# Altium PCB RGV_Control_1V21.PcbDoc (part 6 of 6)
Units mm, origin at the board's own origin, x right, y up, seen from the top; angles counter-clockwise.
Board outline 221.11 x 150.42 mm, 4 copper layers (Top Layer, GND, Power, Bottom Layer), stack 1.56 mm thick; 529 components, 871 nets, 2379 pads, 835 vias.
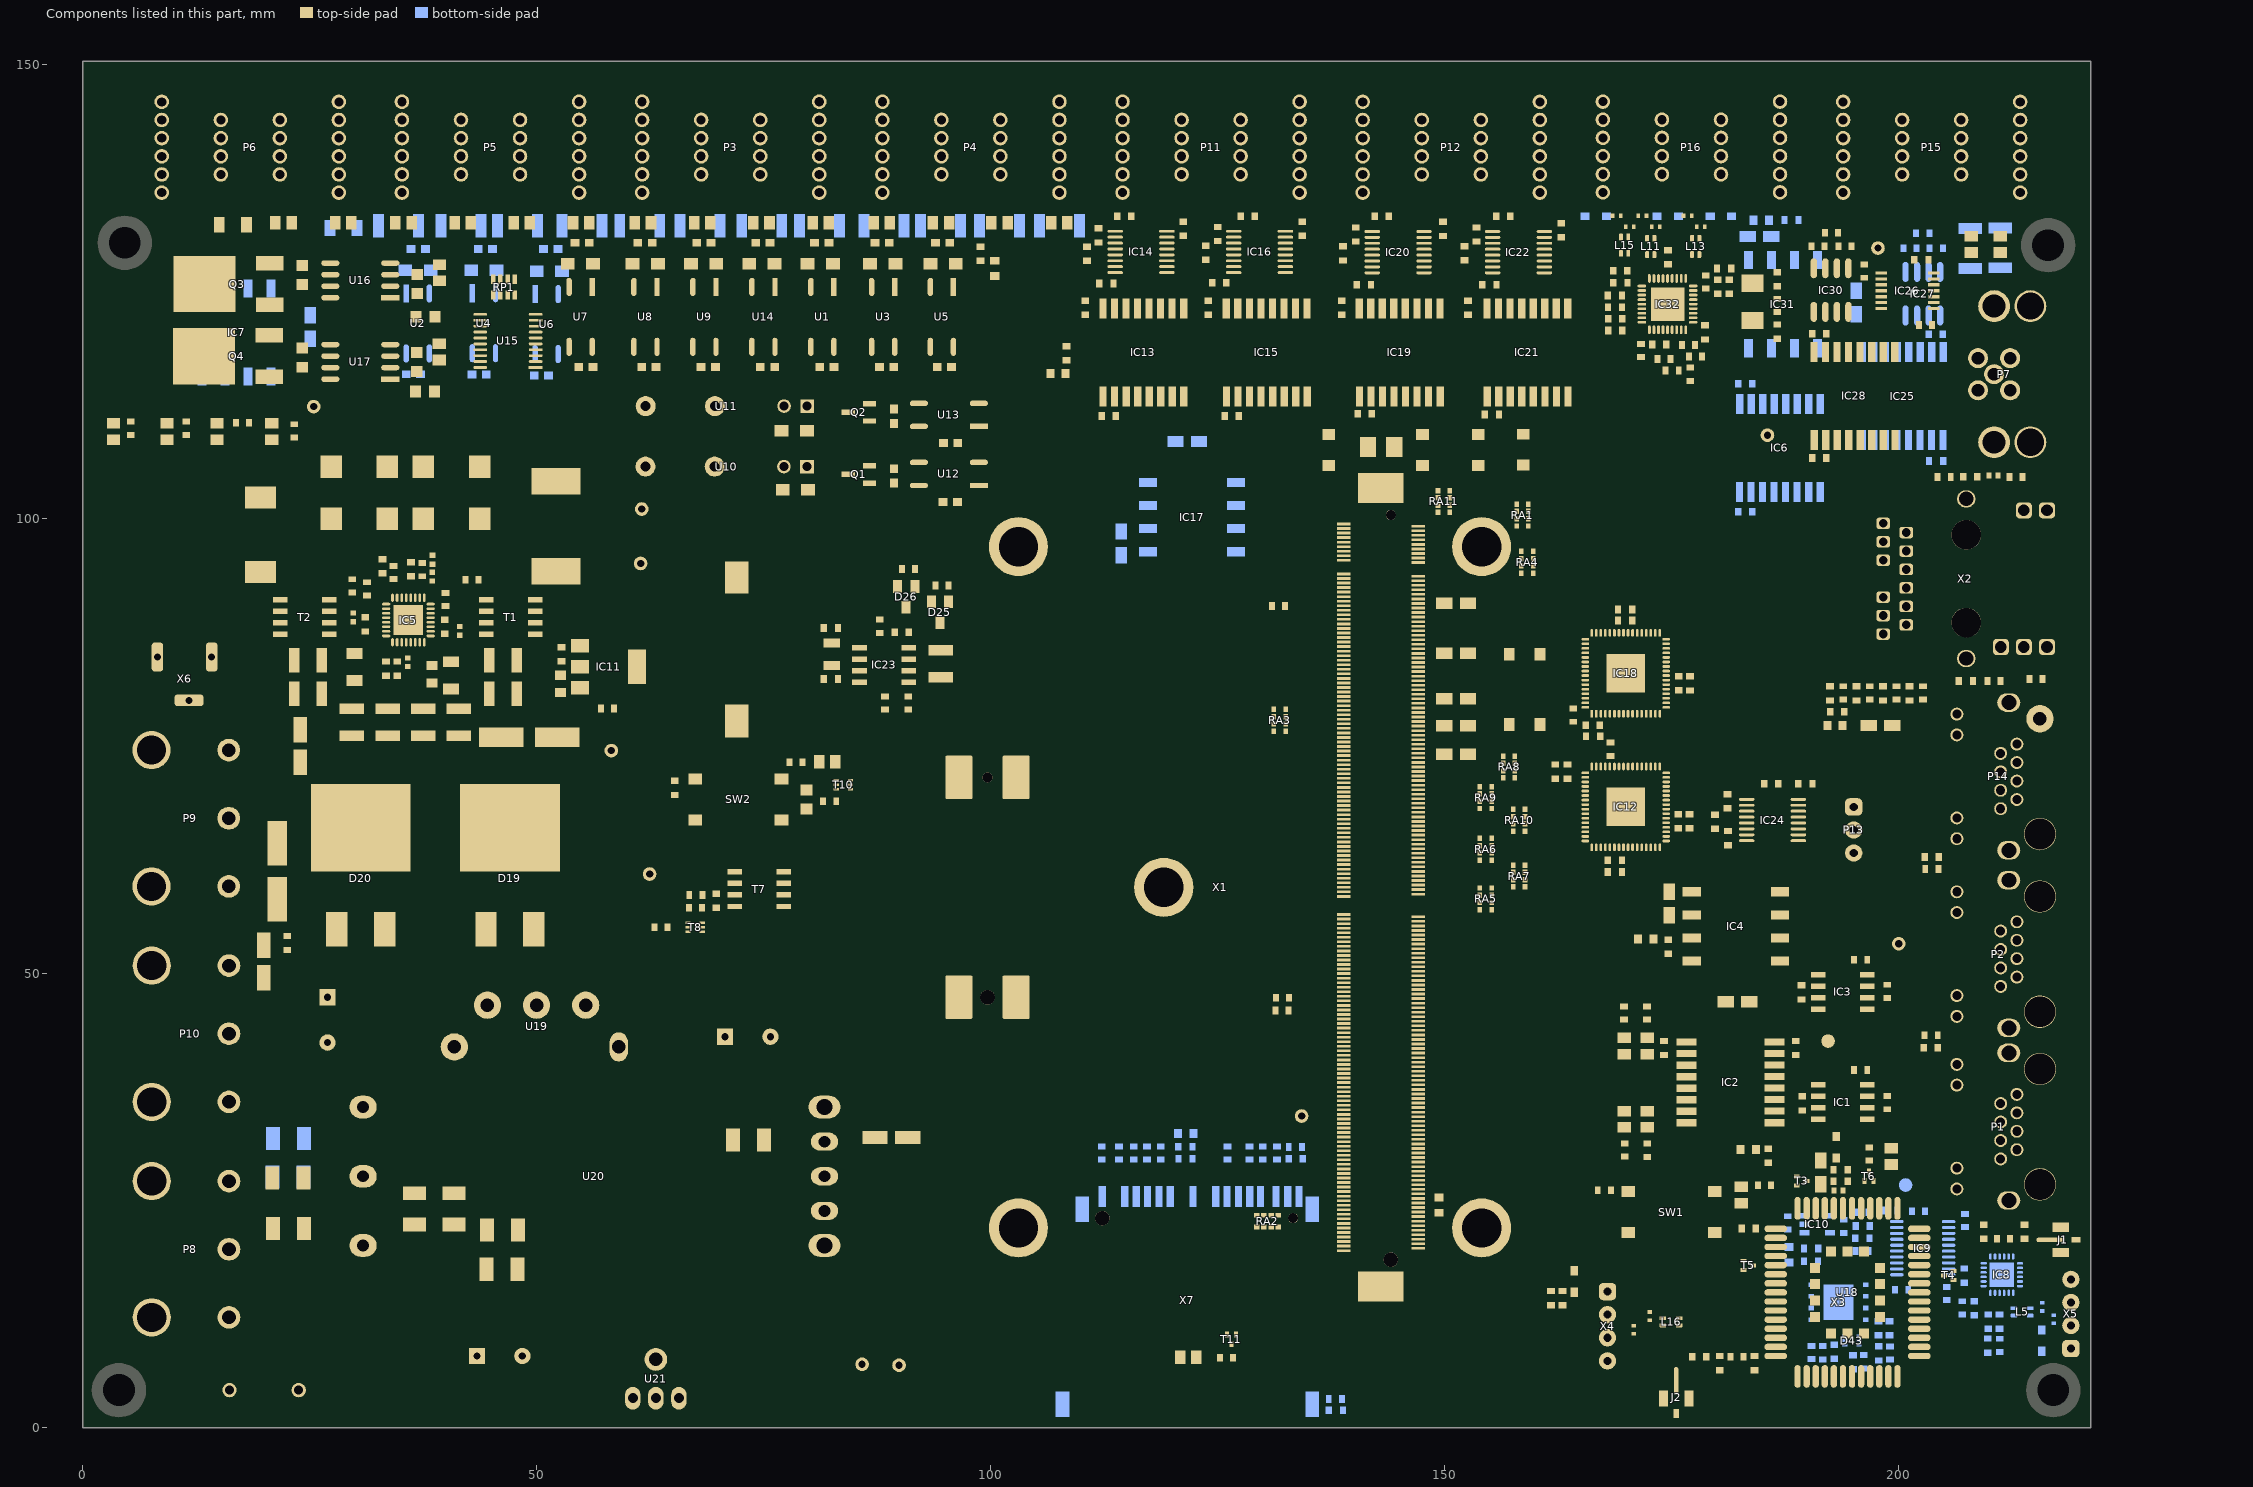
[diagram p8: the components of this part, seen from the top]

## Polygon pours and split planes (outlines as drawn) (continued)
3.3V on Top Layer "Top Layer-3.3V 5" (solid, remove dead copper, pour order 300): 156.566,110.847 156.566,107.62 160.782,107.62 160.782,110.869
3.3V_APALIS on Top Layer "Top Layer-3.3V_APALIS 8" (solid, remove dead copper, pour order 298): 151.714,107.518 151.714,105.181 155.753,105.181 155.753,107.518
3.3V on Top Layer "Top Layer-3.3V 6" (solid, remove dead copper, pour order 296): 151.714,110.846 151.714,107.518 155.753,107.518 155.753,110.871
3.3V_APALIS on Top Layer "Top Layer-3.3V_APALIS 9" (solid, remove dead copper, pour order 292): 145.898,107.467 148.895,107.467 148.895,105.283 145.898,105.283
3.3V on Top Layer "Top Layer-3.3V 7" (solid, remove dead copper, pour order 290): 146.33,111.024 146.329,107.569 148.895,107.569 148.895,111.024
3.3V_APALIS on Top Layer "Top Layer-3.3V_APALIS 10" (solid, remove dead copper, pour order 288): 143.027,110.287 143.027,105.512 146.075,105.512 146.075,110.263
GND on Top Layer "Top Layer-GND 8" (solid, remove dead copper, pour order 286): 140.005,110.287 140.005,105.512 143.027,105.512 143.027,110.287
3.3V_APALIS on Top Layer "Top Layer-3.3V_APALIS 11" (solid, remove dead copper, pour order 284): 136,107.798 136,104.14 138.506,104.14 138.506,107.798
3.3V on Top Layer "Top Layer-3.3V 8" (solid, remove dead copper, pour order 282): 136,110.947 136,107.798 138.506,107.798 138.506,110.947
3.3V_NB on Top Layer "Top Layer-3.3V_NB" (solid, remove dead copper, pour order 266): 183.375,31.5 183.375,29.6 187.225,29.6 187.2,31.5
3.3V_SW on Top Layer "Top Layer-3.3V_SW 4" (solid, remove dead copper, pour order 264): 183.375,31.5 183.375,29.6 180.525,29.6 180.525,31.5
3.3V_NB on Top Layer "Top Layer-3.3V_NB 1" (solid, remove dead copper, pour order 260): 192.25,31 192.25,29.025 194.075,29.025 194.075,31
3.3V_NB on Top Layer "Top Layer-3.3V_NB 2" (solid, remove dead copper, pour order 254): 191.314,25.5 191.314,22.65 193.331,22.65 193.331,25.5
GND on Top Layer "Top Layer-GND 6" (solid, remove dead copper, pour order 258): 193.375,25.5 193.375,22.65 195.35,22.65 195.35,25.5
GND on Top Layer "Top Layer-GND 7" (solid, remove dead copper, pour order 256): 197.3,26.15 197.3,22.575 199.375,22.575 199.375,26.15
CAN_5V_ISO on Top Layer "Top Layer-CAN_5V_ISO" (solid, remove dead copper, pour order 250): 182.15,48.176 182.15,44.775 185.175,44.775 185.175,48.15
3.3V_SW on Top Layer "Top Layer-3.3V_SW 3" (solid, remove dead copper, pour order 248): 172.201,55.225 172.2,52.775 169.35,52.775 169.35,55.225
3.3V_CAN on Top Layer "Top Layer-3.3V_CAN" (solid, remove dead copper, pour order 246): 172.075,55.225 172.075,52.775 175.625,52.775 175.625,55.225
SHIELD on Top Layer "Top Layer-SHIELD 3" (solid, remove dead copper, pour order 236): 203.45,44.005 203.45,40.893 210.599,40.893 210.599,43.851 210.575,43.875
SHIELD on Top Layer "Top Layer-SHIELD 4" (solid, remove dead copper, pour order 234): 210.325,45.446 210.325,39.75 214.15,39.75 214.15,45.446
SHIELD on Top Layer "Top Layer-SHIELD 6" (solid, remove dead copper, pour order 230): 209.4,65 209.4,65.025 213.775,65.025 213.725,57.8 209.4,57.8
3.3V_SW on Top Layer "Top Layer-3.3V_SW 1" (solid, remove dead copper, pour order 218): 107.475,115.069 105.003,115.069 104.998,117.675 107.494,117.675
3.3V_RS232 on Top Layer "Top Layer-3.3V_RS232" (solid, remove dead copper, pour order 216): 107.475,115.069 110.4,115.069 110.4,118.3 107.475,118.3
RS232_5V_ISO on Top Layer "Top Layer-RS232_5V_ISO" (solid, remove dead copper, pour order 214): 122.425,120.7 124.6,120.7 124.6,109.45 122.425,109.45
3V3 on Top Layer "Top Layer-3V3" (solid, remove dead copper, pour order 202): 97.45,129.4 101.825,129.4 101.825,126.995 97.45,126.995
3.3V_SW on Top Layer "Top Layer-3.3V_SW 2" (solid, remove dead copper, pour order 200): 98.925,127.184 101.8,127.184 101.8,125 98.925,125
3.3V_SW on Top Layer "Top Layer-3.3V_SW" (solid, remove dead copper, pour order 190): 74.325,62.196 80.025,62.196 80.025,53.725 74.301,53.725
OUT_12V+ on Top Layer "Top Layer-OUT_12V+ 3" (solid, remove dead copper, pour order 92): 24.899,86.635 19.66,86.635 19.66,74.778 24.925,74.778
OUT_12V+ on Top Layer "Top Layer-OUT_12V+ 1" (solid, remove dead copper, pour order 88): 20.25,77.81 20.25,74.75 48.716,74.75 48.719,77.81
12V_IN on Top Layer "Top Layer-12V_IN" (solid, remove dead copper, pour order 180): 23.3,61.475 23.3,67.42 12.375,67.426 12.375,61.475
12V_IN on Top Layer "Top Layer-12V_IN 1" (solid, remove dead copper, pour order 178): 12.35,88.341 19.329,88.341 19.329,65.647 12.35,65.647
NetC78_1 on Top Layer "Top Layer-NetC78_1" (solid, remove dead copper, pour order 176): 16.6,95.825 16.6,92.208 25.527,92.208 25.527,95.825
GND on Top Layer "Top Layer-GND 3" (solid, remove dead copper, pour order 100): 30.525,108.357 30.644,97.125 31.4,97.125 40.65,97.125 40.65,108.343
NetC66_1 on Top Layer "Top Layer-NetC66_1" (solid, remove dead copper, pour order 172): 47.975,89.357 57.025,89.357 57.025,96.5 47.968,96.5
NetC164_2 on Top Layer "Top Layer-NetC164_2 1" (solid, remove dead copper, pour order 156): 20.375,60.65 20.375,57.099 32,57.099 32,60.65
NetC164_2 on Top Layer "Top Layer-NetC164_2 2" (solid, remove dead copper, pour order 154): 34.9,52.54 34.9,59.9 31.065,59.9 31.065,52.54
NetD20_2 on Top Layer "Top Layer-NetD20_2" (solid, remove dead copper, pour order 152): 27.912,74.7 22.492,74.7 22.492,70.205 27.912,70.194
NetD19_2 on Top Layer "Top Layer-NetD19_2" (solid, remove dead copper, pour order 150): 49.625,77.225 49.625,70.425 55.85,70.425 55.85,77.225
NetD19_3 on Top Layer "Top Layer-NetD19_3" (solid, remove dead copper, pour order 132): 47.3,57.65 47.3,43 52.875,43 52.875,57.65
NetC56_2 on Top Layer "Top Layer-NetC56_1 3" (solid, remove dead copper, pour order 130): 69.05,48.465 52.9,48.465 52.9,42.975 69.05,42.975
GND on Top Layer "Top Layer-GND 4" (solid, remove dead copper, pour order 128): 89.15,33.725 89.15,29.025 93.2,29.025 93.2,33.725
GND_IN on Top Layer "Top Layer-GND_IN 1" (solid, remove dead copper, pour order 126): 10.725,52.603 10.725,55.5 21.48,55.5 21.48,52.603
GND_IN on Top Layer "Top Layer-GND_IN 2" (solid, remove dead copper, pour order 122): 9.147,22.3 18.925,22.3 18.925,14.675 9.147,14.675
GND_IN on Top Layer "Top Layer-GND_IN 3" (solid, remove dead copper, pour order 120): 2.3,79.05 11.25,79.05 11.25,14.7 2.3,14.7
NetC53_2 on Top Layer "Top Layer-NetC53_1" (solid, remove dead copper, pour order 46): 22.675,24.35 22.675,17.526 32.475,17.526 32.475,24.35
48V_IN on Top Layer "Top Layer-48V_IN" (solid, remove dead copper, pour order 36): 13.525,14.575 13.525,1.6 19.5,1.6 19.5,14.575
NetC53_2 on Top Layer "Top Layer-NetC53_1 1" (solid, remove dead copper, pour order 44): 28.65,24.35 46.062,24.35 46.062,3.763 40.9,3.725 40.9,17.525 28.65,17.525
NetC53_2 on Top Layer "Top Layer-NetC53_1 2" (solid, remove dead copper, pour order 50): 46.033,5.75 46.033,1.5 21.375,1.5 21.375,5.75
3.3V on Top Layer "Top Layer-3.3V" (solid, remove dead copper, pour order 108): 13.95,105.15 13.95,99.675 25.35,99.675 25.35,105.15
3.3V on Top Layer "Top Layer-3.3V 1" (solid, remove dead copper, pour order 98): 30.669,108.35 23.8,108.35 23.8,97.1 23.825,97.125 30.644,97.125
5V_SW on Top Layer "Top Layer-5V_SW" (solid, remove dead copper, pour order 106): 59.25,101.3 59.25,106.925 41.925,106.925 41.925,101.35
5V_SW on Top Layer "Top Layer-5V_SW 1" (solid, remove dead copper, pour order 102): 40.65,108.356 40.65,97.125 47.575,97.125 47.575,108.356
OUT_12V+ on Top Layer "Top Layer-OUT_12V+" (solid, remove dead copper, pour order 90): 50.625,89.319 46.55,89.319 46.55,77.275 50.6,77.275
NetC56_2 on Top Layer "Top Layer-NetC56_1" (solid, remove dead copper, pour order 68): 69.05,48.5 69.05,22.55 73.65,22.55 73.65,48.45 73.675,48.475
NetC56_1 on Top Layer "Top Layer-NetC56_2 1" (solid, remove dead copper, pour order 72): 73.662,48.446 73.662,29.025 89.15,29.025 89.15,48.446
GND_IN on Top Layer "Top Layer-GND_IN" (solid, remove dead copper, pour order 78): 2.3,88.277 2.3,78.9 14.475,78.9 14.475,81.4 14.275,81.65 12.1,81.65 12.1,87.171 12.1,88.277
NetC56_2 on Top Layer "Top Layer-NetC56_1 1" (solid, remove dead copper, pour order 70): 84.84,22.55 84.84,28.946 70.2,28.946 70.2,22.55
NetC56_2 on Top Layer "Top Layer-NetC56_1 2" (solid, remove dead copper, pour order 66): 84.875,25.625 84.85,25.6 84.85,17.8 69.05,17.8 69.05,25.6
EARTH on Top Layer "Top Layer-EARTH" (solid, remove dead copper, pour order 64): 12.863,31.623 22.5,31.623 22.5,19.325 18.825,19.325 18.825,22.75 12.838,22.75
NetC53_1 on Top Layer "Top Layer-NetC53_2" (solid, remove dead copper, pour order 54): 28.506,29.8 50.725,29.8 50.725,24.45 28.506,24.45
NetC53_1 on Top Layer "Top Layer-NetC53_2 1" (solid, remove dead copper, pour order 52): 28.506,37.453 28.506,25.35 33.199,25.35 33.2,37.453
NetC53_1 on Top Layer "Top Layer-NetC53_2 2" (solid, remove dead copper, pour order 62): 46.186,9.45 46.186,1.375 68.1,1.375 68.1,9.45
NetC53_1 on Top Layer "Top Layer-NetC53_2 3" (solid, remove dead copper, pour order 58): 45.65,26.9 45.65,26.725 45.65,1.8 50.725,1.8 50.725,26.983
NetC56_1 on Top Layer "Top Layer-NetC56_2" (solid, remove dead copper, pour order 26): 94.361,28.321
NetC164_2 on Top Layer "Top Layer-NetC164_2" (solid, remove dead copper, pour order 20): 30.531,56.007
GND on Bottom Layer "Bottom Layer-GND" (solid, remove dead copper, pour order 340): 186.944,20.244 201.498,20.244 201.498,1.956 186.944,1.956
OUT_12V+ on Bottom Layer "Bottom Layer-OUT_12V+ 4" (solid, remove dead copper, pour order 360): 100.457,147.853 100.457,142.926 195.021,142.926 195.021,147.853
OUT_12V+ on Bottom Layer "Bottom Layer-OUT_12V+ 5" (solid, remove dead copper, pour order 358): 8.799,144.907 0.838,144.907 0.838,84.15 8.73,84.15
OUT_12V+ on Bottom Layer "Bottom Layer-OUT_12V+ 6" (solid, remove dead copper, pour order 356): 16.51,142.85 16.51,136.982 2.743,136.982 2.743,142.85
NetC53_1 on Bottom Layer "Bottom Layer-NetC53_1" (solid, remove dead copper, pour order 352): 22.875,29.6 22.875,24.613 33.35,24.613 33.35,29.575
OUT_12V+ on Bottom Layer "Bottom Layer-OUT_12V+ 3" (solid, remove dead copper, pour order 348): 7.442,144.907 7.442,140.995 108.915,140.995 108.915,144.907
NetIC5_23 on Bottom Layer "Bottom Layer-NetIC5_23 1" (solid, remove dead copper, pour order 164): 43.275,83.642 40.6,83.642 40.6,86.6 43.275,86.6
NetIC5_23 on Bottom Layer "Bottom Layer-NetIC5_23" (solid, remove dead copper, pour order 162): 45.025,92.456 45.025,83.668 42.225,83.668 42.225,92.456
NetC166_2 on Bottom Layer "Bottom Layer-NetC166_2 3" (solid, remove dead copper, pour order 276): 134.567,26.215 137.439,26.211 137.439,4.597 134.656,4.597
3.3V_SW on Bottom Layer "Bottom Layer-3.3V_SW 1" (solid, remove dead copper, pour order 334): 100.482,79.172 100.482,59.969 115.494,59.969 115.494,79.172
3.3V_SW on Bottom Layer "Bottom Layer-3.3V_SW" (solid, remove dead copper, pour order 222): 184.875,134.063 184.875,132 182.458,132 182.458,134.063
OUT_12V+ on Bottom Layer "Bottom Layer-OUT_12V+ 2" (solid, remove dead copper, pour order 322): 185.714,144.932 185.699,141.021 214.376,141.021 214.376,144.932
NetC166_2 on Bottom Layer "Bottom Layer-NetC166_2 2" (solid, remove dead copper, pour order 278): 106.631,5.791 106.603,0.838 134.656,0.838 134.656,5.791
SHIELD on Bottom Layer "Bottom Layer-SHIELD" (solid, remove dead copper, pour order 274): 205.205,103.759 209.372,103.759 209.372,83.287 205.359,83.287
SHIELD on Bottom Layer "Bottom Layer-SHIELD 1" (solid, remove dead copper, pour order 272): 209.601,81.229 214.376,81.229 214.376,24.689 209.601,24.689
NetC166_2 on Bottom Layer "Bottom Layer-NetC166_2" (solid, remove dead copper, pour order 270): 106.604,0.739 106.604,26.238 111.43,26.238 111.43,0.785
NetC166_2 on Bottom Layer "Bottom Layer-NetC166_2 1" (solid, remove dead copper, pour order 268): 138.075,5.775 138.075,0.8 133.175,0.8 133.175,5.775
3.3V_UART on Bottom Layer "Bottom Layer-3.3V_UART" (solid, remove dead copper, pour order 226): 184.875,134.05 184.875,131.825 188.2,131.825 188.2,134.05
RS485_3.3V_ISO on Bottom Layer "Bottom Layer-RS485_3.3V_ISO" (solid, remove dead copper, pour order 220): 193.825,123.85 197.125,123.85 197.125,121.05 193.825,121.05
RS232_5V_ISO on Bottom Layer "Bottom Layer-RS232_5V_ISO" (solid, remove dead copper, pour order 212): 121.55,110.3 121.55,106.7 125.65,106.7 125.65,110.3
12V_ISO on Bottom Layer "Bottom Layer-12V_ISO" (solid, remove dead copper, pour order 196): 26,121.05 26,117.325 21.575,117.325 21.575,121.066
OUT_12V+ on Bottom Layer "Bottom Layer-OUT_12V+" (solid, remove dead copper, pour order 184): 0.965,85.825 22.875,85.825 22.875,76.2 0.965,76.2
OUT_12V+ on Bottom Layer "Bottom Layer-OUT_12V+ 1" (solid, remove dead copper, pour order 182): 18.675,33.2 12.65,33.2 12.65,85.825 18.948,85.825
EARTH on Bottom Layer "Bottom Layer-EARTH" (solid, remove dead copper, pour order 148): 4.65,31.975 4.65,23.6 18.65,23.6 18.65,31.975
EARTH on Bottom Layer "Bottom Layer-EARTH 1" (solid, remove dead copper, pour order 146): 0.786,1.041 8.625,1.041 8.625,31.975 0.675,31.975
EARTH on Bottom Layer "Bottom Layer-EARTH 2" (solid, remove dead copper, pour order 144): 13.2,31.975 22.35,31.975 22.35,23.6 13.2,23.6
EARTH on Bottom Layer "Bottom Layer-EARTH 3" (solid, remove dead copper, pour order 142): 22.777,35.075 19.075,35.075 19.075,23.6 22.777,23.6
NetC56_1 on Bottom Layer "Bottom Layer-NetC56_2" (solid, remove dead copper, pour order 140): 22.875,29.6 26.05,29.6 26.058,38.25 22.875,38.25
NetC56_1 on Bottom Layer "Bottom Layer-NetC56_2 1" (solid, remove dead copper, pour order 138): 22.875,41.175 22.875,44.75 30.725,44.75 30.725,41.175
NetC56_1 on Bottom Layer "Bottom Layer-NetC56_2 2" (solid, remove dead copper, pour order 136): 77.9,45.425 77.875,45.45 73.275,45.45 73.275,37.25 77.85,37.25
NetC56_2 on Bottom Layer "Bottom Layer-NetC56_1" (solid, remove dead copper, pour order 134): 57.939,42.975 42.342,42.975 42.342,49.15 58.014,49.15
GND_IN on Bottom Layer "Bottom Layer-GND_IN" (solid, remove dead copper, pour order 116): 11.475,22.294 11.475,14.91 21.45,14.9 21.45,9.975 26.075,9.975 26.075,22.35
GND_IN on Bottom Layer "Bottom Layer-GND_IN 1" (solid, remove dead copper, pour order 114): 60.575,9.975 60.575,14.3 22.275,14.3 22.275,9.975
GND_IN on Bottom Layer "Bottom Layer-GND_IN 2" (solid, remove dead copper, pour order 110): 67.525,12.975 67.525,1.375 58.1,1.375 58.1,12.975
GND on GND (split plane): 220.622,0.485 0.536,0.485 0.536,149.883 220.622,149.883
12G_ISO on GND (split plane): 31.32,114.7 18.235,114.7 18.235,130.101 31.32,130.101
CAN_GND_ISO on GND (split plane): 214.302,56.411 214.302,52.832 214.302,49.05 212.496,47.245 212.011,46.76 200.355,46.76 200.29,46.751 200.229,46.726 200.177,46.686 200.137,46.633 200.112,46.573 200.103,46.507 200.103,39.776 200.103,38.633 200.112,38.568 200.137,38.507 200.177,38.455 200.229,38.415 200.29,38.39 200.355,38.381 214.022,38.381 214.022,32.79 207.467,32.79 207.429,32.785 207.39,32.79 195.781,32.79 195.781,35.281 195.773,35.346 195.748,35.407 195.708,35.459 195.655,35.499 195.594,35.524 195.529,35.533 190.365,35.533 190.3,35.524 190.239,35.499 190.187,35.459 190.147,35.407 190.121,35.346 190.113,35.281 190.113,32.566 181.776,32.566 181.776,43.164 181.776,43.727 181.776,46.203 181.768,46.268 181.743,46.329 181.703,46.381 181.65,46.421 181.59,46.446 181.524,46.455 176.071,46.455 176.071,48.87 176.071,52.392 190.286,52.392 190.352,52.4 190.412,52.425 190.465,52.465 190.505,52.518 190.53,52.579 190.539,52.644 190.539,57.025 213.687,57.025
RS232_GND_ISO on GND (split plane): 163.019,125.131 163.028,125.066 163.053,125.005 163.093,124.953 163.145,124.912 163.206,124.887 163.271,124.879 164.568,124.879 164.568,123.825 164.568,118.718 120.625,118.718 120.559,118.709 120.499,118.684 120.446,118.644 120.406,118.592 120.381,118.531 120.372,118.466 120.372,102.842 115.949,102.842 115.949,120.472 115.941,120.537 115.915,120.598 115.875,120.651 115.823,120.691 115.762,120.716 115.697,120.724 108.278,120.724 108.278,141.378 163.019,141.378
RS485_GND_ISO on GND (split plane): 215.622,134.064 214.348,132.789 206.768,132.789 206.702,132.781 206.642,132.756 206.589,132.716 206.549,132.663 206.524,132.602 206.516,132.537 206.516,116.524 202.816,112.825 182.552,112.825 182.552,116.867 189.154,116.867 189.219,116.876 189.28,116.901 189.332,116.941 189.372,116.993 189.397,117.054 189.406,117.119 189.406,130.909 190.907,132.41 190.924,132.432 190.947,132.462 190.972,132.523 190.981,132.588 190.981,134.885 190.972,134.95 190.947,135.011 190.907,135.063 190.791,135.179 190.739,135.219 190.678,135.245 190.613,135.253 185.575,135.253 185.571,135.258 185.571,140.743 215.622,140.743
3.3V on Power (split plane): 138.026,111.049 138.035,110.984 138.06,110.923 138.1,110.87 138.152,110.83 138.213,110.805 138.278,110.797 168.755,110.797 168.81,110.741 168.81,90.318 168.793,90.296 168.768,90.235 168.759,90.17 168.759,83.513 162.814,83.513 162.749,83.505 162.688,83.48 162.636,83.44 162.596,83.387 162.57,83.326 162.562,83.261 162.562,77.876 162.562,77.494 157.732,77.494 157.732,99.443 161.341,99.443 161.406,99.451 161.467,99.477 161.519,99.517 161.672,99.669 161.712,99.721 161.737,99.782 161.745,99.847 161.745,107.391 161.737,107.456 161.712,107.517 161.689,107.547 161.672,107.57 161.595,107.646 161.543,107.686 161.482,107.711 161.417,107.72 134.62,107.72 134.555,107.711 134.494,107.686 134.442,107.646 134.402,107.593 134.376,107.533 134.368,107.467 134.368,102.284 126.34,102.284 126.274,102.275 126.214,102.25 126.161,102.21 126.121,102.158 126.096,102.097 126.087,102.032 126.087,65.098 74.574,65.098 74.509,65.09 74.448,65.065 74.396,65.025 74.356,64.972 74.331,64.911 74.322,64.846 74.322,52.195 24.687,52.195 24.687,95.377 24.687,106.807 24.687,108.942 33.962,108.942 33.962,76.225 33.97,76.16 33.995,76.099 34.035,76.047 34.088,76.007 34.149,75.982 34.214,75.973 116.688,75.973 116.753,75.982 116.814,76.007 116.866,76.047 116.906,76.099 116.931,76.16 116.94,76.225 116.94,98.044 116.938,98.057 116.94,98.069 116.94,107.164 129.007,107.164 129.072,107.173 129.133,107.198 129.185,107.238 129.225,107.291 129.241,107.329 129.25,107.341 129.276,107.402 129.284,107.467 129.284,112.778 136.297,112.778 136.362,112.786 136.403,112.803 138.026,112.803
3.3V_RS232 on Power (split plane): 119.737,118.135 119.746,118.07 119.771,118.009 119.811,117.957 119.862,117.906 119.885,117.889 119.914,117.866 119.975,117.841 120.04,117.832 121.955,117.832 122.02,117.841 122.061,117.858 167.536,117.858 172.925,112.468 172.925,90.449 172.925,85.968 172.934,85.903 172.959,85.842 172.999,85.79 173.051,85.75 173.112,85.725 173.177,85.716 178.473,85.716 178.473,79.526 176.784,79.526 176.771,79.524 176.759,79.526 176.693,79.517 176.633,79.492 176.58,79.452 176.54,79.399 176.515,79.339 176.506,79.273 176.506,73.584 176.515,73.519 176.54,73.458 176.58,73.405 176.633,73.365 176.693,73.34 176.759,73.332 190.019,73.332 190.019,67.308 172.4,67.308 172.335,67.3 172.274,67.274 172.222,67.234 172.182,67.182 172.156,67.121 172.148,67.056 172.148,60.069 165.708,60.069 165.708,64.237 165.708,69.658 165.699,69.723 165.674,69.784 165.634,69.836 165.582,69.876 165.521,69.901 165.456,69.91 160.287,69.91 160.287,72.263 160.287,72.9 162.712,72.9 162.778,72.908 162.838,72.934 162.891,72.974 162.992,73.075 163.015,73.105 163.032,73.128 163.04,73.145 163.058,73.188 163.066,73.254 163.066,77.876 163.066,83.009 169.012,83.009 169.077,83.018 169.138,83.043 169.19,83.083 169.23,83.135 169.255,83.196 169.264,83.261 169.264,89.768 169.281,89.79 169.306,89.851 169.315,89.916 169.315,110.846 169.306,110.911 169.281,110.972 169.241,111.024 169.038,111.227 168.985,111.267 168.924,111.292 168.859,111.301 138.53,111.301 138.53,113.055 138.522,113.121 138.497,113.181 138.457,113.234 138.404,113.274 138.343,113.299 138.278,113.308 135.865,113.308 135.799,113.299 135.759,113.282 129.032,113.282 128.967,113.274 128.906,113.248 128.854,113.208 128.814,113.156 128.788,113.095 128.78,113.03 128.78,107.669 116.688,107.669 116.622,107.66 116.562,107.635 116.509,107.595 116.469,107.543 116.444,107.482 116.435,107.417 116.435,98.296 113.409,98.296 113.409,108.89 113.401,108.955 113.375,109.016 113.335,109.068 113.283,109.108 113.222,109.133 113.157,109.142 107.694,109.142 107.694,119.458 119.737,119.458
3.3V_SW on Power (split plane): 266 vertices, not listed, extent 0.536,0.485 220.622,149.883
5V_SW on Power (split plane): 51.157,124.788 43.028,124.788 42.962,124.78 42.902,124.755 42.849,124.715 42.809,124.662 42.784,124.601 42.775,124.536 42.775,122.091 42.775,117.202 42.775,114.757 42.784,114.692 42.809,114.631 42.849,114.579 42.9,114.528 42.923,114.511 42.952,114.488 43.013,114.463 43.078,114.454 51.123,114.454 51.123,93.572 34.496,93.572 34.466,93.602 34.466,109.195 34.457,109.26 34.432,109.321 34.392,109.373 34.34,109.413 34.279,109.438 34.214,109.447 13.82,109.447 13.155,110.112 13.155,149.883 51.157,149.883
OUT_12V+ on Power (split plane): 98.503,99.187 98.503,98.227 72.49,98.227 72.49,114.454 98.503,114.454
3V3 on Power (split plane): 98.503,114.959 43.28,114.959 43.28,117.202 43.28,122.091 43.28,124.284 90.703,124.284 90.769,124.293 90.829,124.318 90.882,124.358 90.922,124.41 90.947,124.471 90.956,124.536 90.956,130.075 98.503,130.075
3.3V_CAN on Power (split plane): 181.358,48.285 181.358,32.612 176.352,32.612 176.287,32.603 176.226,32.578 176.174,32.538 176.134,32.486 176.109,32.425 176.1,32.36 176.109,32.294 176.125,32.254 176.125,28.7 171.753,28.7 171.753,56.085 181.358,56.085
3.3V_NB on Power (split plane): 209.054,16.33 204.648,16.33 204.583,16.322 204.542,16.305 182.167,16.305 182.167,25.376 185.064,25.376 185.13,25.385 185.19,25.41 185.243,25.45 185.283,25.503 185.308,25.563 185.317,25.629 185.317,32.107 209.054,32.107
CAN_5V_ISO on Power (split plane): 190.146,32.612 185.213,32.612 185.19,32.629 185.13,32.654 185.064,32.663 184.999,32.654 184.938,32.629 184.916,32.612 181.862,32.612 181.862,48.033 190.146,48.033
3.3V_APALIS on Power (split plane): 161.241,99.952 161.236,99.947 157.505,99.947 157.44,99.939 157.379,99.913 157.327,99.873 157.302,99.848 157.262,99.796 157.236,99.735 157.228,99.67 157.228,71.984 147.398,72.058 147.397,72.058 147.396,72.058 142.426,72.058 142.415,72.063 142.35,72.071 141.552,72.071 141.552,102.032 141.544,102.097 141.519,102.158 141.479,102.21 141.426,102.25 141.365,102.275 141.3,102.284 134.872,102.284 134.872,107.215 161.241,107.215
RS232_5V_ISO on Power (split plane): 162.384,137.414 162.384,128.421 154.889,128.421 154.824,128.412 154.763,128.387 154.711,128.347 154.671,128.294 154.646,128.234 154.637,128.168 154.637,118.362 121.929,118.362 121.864,118.354 121.823,118.337 120.242,118.337 120.242,119.634 120.242,130.124 120.233,130.189 120.208,130.25 120.168,130.303 120.116,130.343 120.055,130.368 119.99,130.376 112.825,130.376 112.825,139.016 162.384,139.016
RS485_3.3V_ISO on Power (split plane): 200.99,130.301 201.042,130.261 201.103,130.236 201.168,130.228 206.605,130.228 206.605,113.612 189.381,113.612 189.381,117.103 189.381,126.67 189.381,130.939 200.352,130.939
3.3V_UART on Power (split plane): 188.876,131.191 188.876,131.064 188.876,126.67 188.876,117.103 188.876,113.36 188.885,113.295 188.91,113.234 188.95,113.182 189.002,113.142 189.063,113.117 189.128,113.108 206.605,113.108 206.605,104.448 205.483,103.325 190.068,103.325 190.003,103.317 189.942,103.292 189.89,103.252 189.566,102.928 189.526,102.876 189.501,102.815 189.492,102.75 189.492,99.541 180.419,99.541 180.313,99.647 180.313,113.133 184.631,113.133 184.696,113.142 184.757,113.167 184.809,113.207 184.849,113.26 184.874,113.32 184.883,113.386 184.883,134.546 188.876,134.546

## Keep-outs
Keep-Out Layer:
  lines w0.1: 0.787,0.75 220.243,0.75 220.243,149.631 0.787,149.631 0.787,0.75

## Other copper
Top Layer:
  rectangle net NetC78_1: 26.06,89.23 28.27,90.446
  rectangle net NetIC5_18: 28.651,84.15 31.318,86.233
  rectangle net NetIC5_18: 28.017,86.665 28.506,87.05
  rectangle net NetIC5_18: 26.289,86.525 28.194,87.833
  rectangle net NetC66_1: 48.814,92.295 56.236,96.241
  rectangle net NetC78_1: 16.942,92.565 22.327,95.834
  rectangle net NetC66_1: 45.672,92.441 47.968,92.449
  rectangle net OUT_12V+: 19.65,85.217 20.422,89.357
  rectangle net OUT_12V+: 19.71,86.16 20.5,86.17
  region net 5V_SW: 47.575,97.13 51.816,101.371 47.575,101.371
  region net 3.3V: 24.053,97.145 23.468,97.145 20.928,99.685 20.948,99.705 24.052,99.705
  region net NetD19_3: 28.506,51.054 28.296,50.775 26.086,48.26 27.889,46.457 27.889,47.396 28.981,48.489
  region net NetD19_3: 47.758,51.048 28.506,51.054 28.506,48.489 47.701,48.514
  region net NetIC5_18: 28.347,87.684 28.343,87.684 28.194,87.833 28.118,87.757 28.118,87.401
  region net NetC66_1: 48.019,92.441 45.672,92.441 46.408,93.805 48.019,96.455
  pour cut-out: 174.548,2.184 176.378,2.184 176.378,4.343 174.574,4.343
  pour cut-out: 216.72,21.514 219.075,21.514 219.075,19.761 216.72,19.761
  region net 12V_IN: 19.329,69.528 19.329,67.42 21.6,67.42
  region net NetC78_1: 25.525,92.35 28.375,92.35 25.527,95.825
  region: 48.95,96.875
  region net NetC164_2: 32,60.65 32,59.939 32,59.9 34.9,59.9
  region net NetD20_2: 25.202,70.225 24.23,70.225 25.202,69.253
  region net NetD20_2: 27.912,70.825 27.912,72.013 29.1,70.825
  region net NetD19_2: 49.625,70.825 49.625,72.409 48.041,70.825
  region net NetD19_2: 55.85,70.425 52.55,70.425 52.55,67.425
  region net GND_IN: 14.475,78.9 11.25,78.9 11.25,75.404
  region net NetC56_2: 69.05,42.975 67.675,42.975 69.05,41.6
  region net NetC53_2: 40.9,17.525 40.899,17.526 38.649,17.526 40.9,15.275
  region net NetC53_2: 40.9,5.75 40.9,8.75 37.9,5.75
  region net NetC53_1: 50.725,9.45 50.725,11.025 52.3,9.45
  region net GND_IN: 11.25,55.5 11.25,58.825 14.575,55.5
  region net GND_IN: 12.253,52.603 11.25,52.603 11.25,51.55
  region net GND_IN: 11.25,23.475 11.25,22.3 12.45,22.3
  region net EARTH: 17.15,22.75 18.825,22.75 18.825,21.325
  region: 14.453,15.392
Bottom Layer:
  rectangle net EARTH: 1.041,1.041 8.28,7.595
  region net OUT_12V+: 11.278,141.808 11.278,137.897 11.227,137.846 13.056,137.846 13.056,141.732 12.929,141.859
  region net OUT_12V+: 7.823,138.887 7.823,136.982 16.358,136.982 16.358,138.887
  region: 105.6,143.15
  region net OUT_12V+: 103.4,142.475 103.4,143.426 102.476,142.475
  region net NetC56_1: 30.725,39.9 30.725,41.575 32.45,39.9
  region net NetC56_1: 73.95,37.25 22.875,37.25 22.875,41.175 30.725,41.175 30.725,39.9 73.575,39.9 73.95,40.275
  region net GND_IN: 26.075,16.825 26.075,14.3 28.725,14.3
  region net GND_IN: 58.1,9.975 57.1,9.975 58.1,8.975
  region net GND_IN: 60.575,14.3 60.575,12.975 61.95,12.975
GND (plane layer: these items are gaps in the copper):
  lines w0.5: 112.243,141.63 163.271,141.63 163.271,125.131 164.821,125.131 164.821,123.825 164.821,118.491 164.795,118.466 120.625,118.466 120.625,102.59 115.697,102.59 115.697,120.472 108.026,120.472 108.026,141.63 112.598,141.63 ; 193.332,35.281 195.529,35.281 195.529,32.537 207.39,32.537 ; 193.523,35.281 190.382,35.281 190.365,35.281 190.365,32.314 181.529,32.314 181.524,32.318 181.524,43.164 181.524,43.727 181.524,46.203 175.819,46.203 175.819,48.87 175.819,52.635 175.827,52.644 190.286,52.644 190.286,57.277 194.92,57.277 213.792,57.277 214.554,56.515 214.554,52.832 214.554,48.946 212.674,47.066 212.115,46.507 200.355,46.507 200.355,39.776 200.355,38.633 214.274,38.633 214.274,32.537 207.467,32.537 ; 17.983,114.448 17.983,130.353 31.572,130.353 31.572,114.448 17.983,114.448 ; 182.3,112.573 182.3,117.119 188.062,117.119 189.154,117.119 189.154,131.013 190.729,132.588 190.729,134.885 190.613,135.001 185.471,135.001 185.318,135.153 185.318,140.945 185.369,140.995 190.729,140.995 215.875,140.995 215.875,140.97 215.875,133.96 214.452,132.537 206.768,132.537 206.768,116.42 202.921,112.573 182.3,112.573
Power (plane layer: these items are gaps in the copper):
  lines w0.5: 12.903,150.47 12.903,110.007 13.716,109.195 24.435,109.195 ; 34.214,93.497 34.392,93.32 39.027,93.32 48.298,93.32 51.375,93.32 51.375,114.706 ; 51.41,150.266 51.41,124.536 ; 72.238,114.706 72.238,97.975 98.755,97.975 98.755,99.187 98.755,114.706 ; 116.688,98.069 116.688,107.417 116.738,107.417 129.007,107.417 ; 121.929,118.11 125.959,118.11 167.64,118.11 173.177,112.573 173.177,90.449 173.177,85.968 178.725,85.968 178.725,79.273 176.784,79.273 ; 121.955,118.085 120.04,118.085 119.99,118.135 ; 129.032,107.467 129.032,113.03 134.468,113.03 136.297,113.03 ; 135.865,113.055 138.278,113.055 138.278,111.049 168.859,111.049 169.062,110.846 169.062,89.916 ; 142.35,71.819 141.3,71.819 141.3,102.032 134.645,102.032 ; 142.426,71.806 147.396,71.806 157.48,71.73 157.48,99.67 157.505,99.695 161.341,99.695 161.493,99.847 161.493,107.391 161.417,107.467 142.951,107.467 134.62,107.467 134.62,102.057 134.645,102.032 ; 154.889,118.135 154.889,128.168 162.636,128.168 162.636,137.414 162.636,139.268 112.573,139.268 112.573,130.124 119.99,130.124 119.99,118.135 ; 157.531,77.241 162.662,77.241 ; 165.456,64.059 165.456,69.658 160.035,69.658 160.035,72.263 160.035,73.112 159.995,73.152 162.712,73.152 162.814,73.254 162.814,77.876 162.814,83.261 169.012,83.261 169.012,90.17 ; 165.456,64.237 165.456,59.817 172.39,59.817 172.4,59.827 172.4,67.056 178.079,67.056 190.271,67.056 190.271,73.584 176.759,73.584 176.759,79.273 ; 185.064,32.41 185.064,25.629 181.915,25.629 181.915,16.053 200.812,16.053 204.622,16.053 204.648,16.078 209.306,16.078 209.306,32.36 190.398,32.36 ; 189.128,131.064 189.128,134.798 184.631,134.798 184.631,113.386 180.086,113.386 180.061,113.36 180.061,99.543 180.315,99.289 189.719,99.289 189.745,99.263 189.745,102.75 190.068,103.073 205.588,103.073 206.858,104.343 206.858,113.36 ; 24.435,109.195 24.435,106.807 24.435,95.377 24.435,51.943 74.574,51.943 74.574,64.846 126.34,64.846 126.34,102.032 134.645,102.032 ; 24.435,109.195 34.214,109.195 34.214,76.225 116.688,76.225 116.688,98.044 113.208,98.044 113.157,98.095 113.157,108.89 107.442,108.89 107.442,119.71 112.344,119.71 118.069,119.71 119.913,119.71 119.99,119.634 119.99,118.135 ; 51.375,114.706 43.078,114.706 43.028,114.757 43.028,117.202 43.028,122.091 43.028,124.536 43.155,124.536 51.41,124.536 ; 51.375,114.706 98.755,114.706 ; 51.41,124.536 90.703,124.536 90.703,130.327 98.755,130.327 98.755,114.706 ; 181.61,32.36 176.352,32.36 176.378,32.334 176.378,28.448 171.501,28.448 171.501,56.337 181.61,56.337 181.61,48.285 ; 181.61,32.36 181.61,48.285 ; 181.61,32.36 190.398,32.36 ; 181.61,48.285 190.373,48.285 190.398,48.26 190.398,32.36 ; 206.858,113.36 189.128,113.36 189.128,117.103 189.128,126.67 189.128,131.191 200.457,131.191 201.168,130.48 206.781,130.48 206.858,130.404 206.858,113.36

## Silkscreen, mask and mechanical layers (free items; w line width, h text height)
Top Overlay:
  lines w0.1: 170.85,114.656 173.66,114.656 173.66,116.84 170.85,116.84 170.85,114.656 ; 172.339,118.262 172.339,119.761 174.904,119.761 175.006,119.659 175.006,118.484 175.006,118.262 175.362,118.262 175.362,117.014 172.923,117.014 172.923,118.262 172.339,118.262 ; 175.539,118.643 175.539,119.736 178.003,119.736 178.003,118.491 178.841,118.491 178.841,117.297 178.816,117.297 176.378,117.297 176.378,117.348 176.378,118.643 175.539,118.643 ; 180.569,116.891 180.569,116.942 180.569,119.38 183.49,119.38 183.49,116.891 180.569,116.891 ; 192.303,25.654 194.843,25.654 194.843,28.905 192.303,28.905 192.303,25.654 ; 200.99,24.943 200.99,28.397 204.14,28.397 204.14,24.943 200.99,24.943
  text "12G_ISO" at 13.208,130.048 h0.75
  text "12V_ISO" at 26.873,111.379 h0.75
  text "RS485_GND" at 181.026,106.985 h0.75
  text "5V_SW" at 60.02,99.111 h0.75
  text "12V" at 60.655,92.837 h0.75
  text "PMIC_EN" at 59.665,73.381 h0.75
  text "3.3V" at 61.316,58.699 h0.75
  text "CAN_GND" at 198.018,51.13 h0.75
  text "CAN_5V" at 191.059,40.513 h0.75
  text "GND" at 84.861,4.75 h0.75
  text "3.3V_SW" at 88.29,4.724 h0.75
  text "BlueSword_RGV_Control_Board_1V21" at 95.631,2.21 h0.75
Bottom Overlay:
  text "WP" at 136.957,32.969 h0.75
  text "VCC_1V8" at 203.022,27.991 h0.75
Mechanical 1:
  the board outline again, w0.1